# KiCad board tklc_v1_rgb.kicad_pcb (continued)
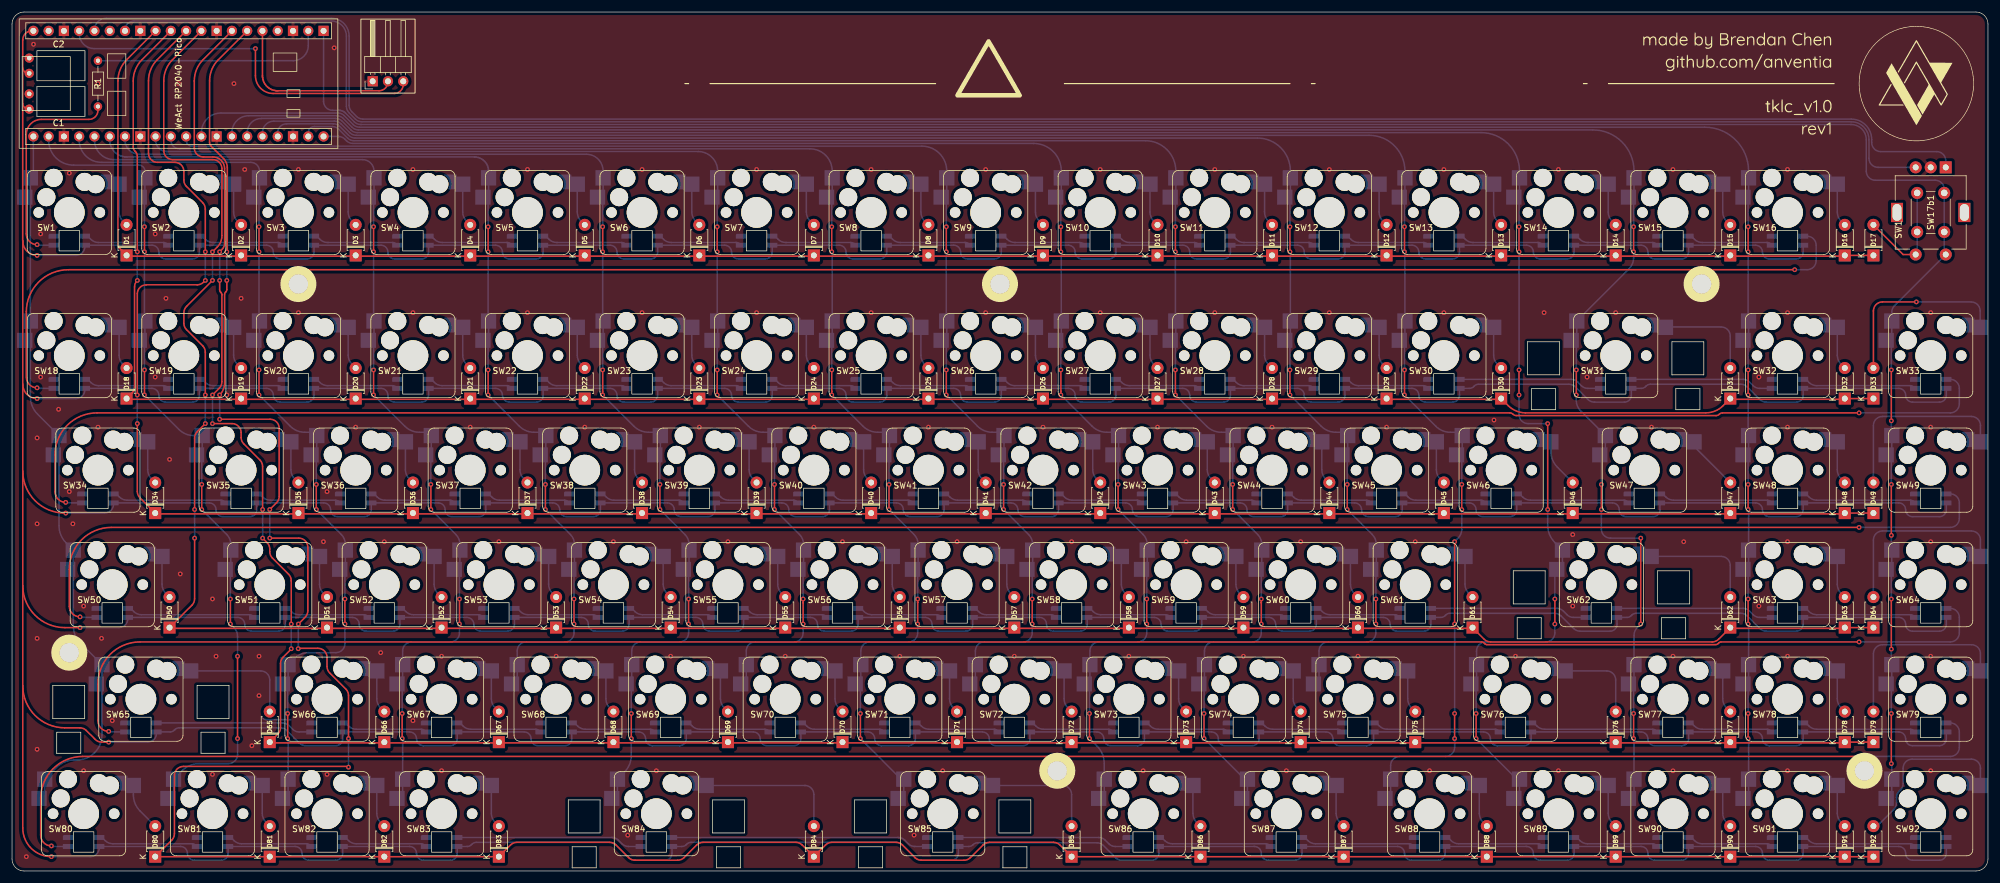
[diagram p0: board, top side]
## Nets (continued)
Net-(SW51-Pad5): SW51.5 SW52.4
Net-(SW52-Pad5): SW52.5 SW53.4
Net-(SW53-Pad5): SW53.5 SW54.4
Net-(SW54-Pad5): SW54.5 SW55.4
Net-(SW55-Pad5): SW55.5 SW56.4
Net-(SW56-Pad5): SW56.5 SW57.4
Net-(SW57-Pad5): SW57.5 SW58.4
Net-(SW58-Pad5): SW58.5 SW59.4
Net-(SW59-Pad5): SW59.5 SW60.4
Net-(SW60-Pad5): SW60.5 SW61.4
Net-(SW61-Pad5): SW61.5 SW62.4
Net-(SW62-Pad5): SW62.5 SW63.4
Net-(SW63-Pad5): SW63.5 SW64.4
Net-(SW64-Pad5): SW64.5 SW65.4
Net-(SW65-Pad5): SW65.5 SW66.4
Net-(SW66-Pad5): SW66.5 SW67.4
Net-(SW67-Pad5): SW67.5 SW68.4
Net-(SW68-Pad5): SW68.5 SW69.4
Net-(SW69-Pad5): SW69.5 SW70.4
Net-(SW70-Pad5): SW70.5 SW71.4
Net-(SW71-Pad5): SW71.5 SW72.4
Net-(SW72-Pad5): SW72.5 SW73.4
Net-(SW73-Pad5): SW73.5 SW74.4
Net-(SW74-Pad5): SW74.5 SW75.4
Net-(SW75-Pad5): SW75.5 SW76.4
Net-(SW76-Pad5): SW76.5 SW77.4
Net-(SW77-Pad5): SW77.5 SW78.4
Net-(SW78-Pad5): SW78.5 SW79.4
Net-(SW79-Pad5): SW79.5 SW80.4
Net-(SW80-Pad5): SW80.5 SW81.4
Net-(SW81-Pad5): SW81.5 SW82.4
Net-(SW82-Pad5): SW82.5 SW83.4
Net-(SW83-Pad5): SW83.5 SW84.4
Net-(SW84-Pad5): SW84.5 SW85.4
Net-(SW85-Pad5): SW85.5 SW86.4
Net-(SW86-Pad5): SW86.5 SW87.4
Net-(SW87-Pad5): SW87.5 SW88.4
Net-(SW88-Pad5): SW88.5 SW89.4
Net-(SW89-Pad5): SW89.5 SW90.4
Net-(SW90-Pad5): SW90.5 SW91.4
Net-(SW91-Pad5): SW91.5 SW92.4

Pads without a net: SW17 MP; SW92 5

## Via types
v1: diameter 0.8, hole 0.4, Top to Bottom, 325 vias

## Routing (per net, layer and track width the routed paths; a pad name or vN(x,y) marks a point on that pad's centre or on a via; arc(x,y) is an arc through that point)
/3V3: length 62.4
  Top w0.25: v1(40.48,136.79) 40.48,132.28 arc(41.35,130.19) 43.43,129.33 63.56,129.33 arc(64.62,129.77) 65.06,130.83
  Bottom w0.25: v1(40.48,136.79) 13.67,136.79 arc(11.9,137.52) 11.17,139.29
GND: length 4.8
  Bottom w0.25: 46.36,25.17 42.31,25.17 arc(41.93,25.25) 41.61,25.47
  vias: v1(2.38,2.38) v1(3.57,137.52) v1(4.17,72.03) v1(4.17,57.75) v1(4.17,38.7) v1(4.17,20.24) v1(4.76,105.97) v1(4.76,82.15) v1(7.74,76.8) v1(9.53,116.09) v1(9.53,63.1) v1(10.12,57.75) v1(11.91,44.05) v1(11.91,16.67) v1(14.29,130.97) v1(14.29,73.82) v1(14.88,38.7) v1(16.67,25) v1(23.81,105.97) v1(23.81,82.15) v1(25.6,95.25) v1(26.19,68.46) v1(27.68,130.97) v1(27.98,49.41) v1(33.34,45.24) v1(33.34,16.07) v1(33.93,35.72) v1(35.72,79.18) v1(36.91,130.97) v1(38.1,95.25) v1(38.7,116.68) v1(39.89,20.84) v1(41.08,35.72) v1(41.08,29.17) v1(47.63,116.68) v1(47.63,92.87) v1(51.79,54.77) v1(52.39,63.1) v1(52.39,16.07) v1(53.58,136.92) v1(57.15,73.82) v1(61.32,36.31) v1(61.91,54.77) v1(66.68,116.68) v1(66.68,92.87) v1(66.68,25) v1(71.44,35.72) v1(71.44,16.67) v1(76.2,73.82) v1(80.96,54.77) v1(85.73,116.68) v1(85.73,92.87) v1(90.49,35.72) v1(95.25,73.82) v1(100.01,54.77) v1(102.39,5.95) v1(104.78,116.68) v1(104.78,92.87) v1(107.16,16.67) v1(109.54,35.72) v1(114.3,73.82) v1(119.06,54.77) v1(123.83,116.68) v1(123.83,92.87) v1(128.59,35.72) v1(133.35,73.82) v1(138.11,54.77) v1(142.88,116.68) v1(142.88,92.87) v1(147.64,35.72) v1(150.02,5.95) v1(152.4,73.82) v1(154.78,16.67) v1(157.16,54.77) v1(161.93,116.68) v1(161.93,92.87) v1(166.69,35.72) v1(171.45,73.82) v1(176.21,54.77) v1(180.98,116.68) v1(180.98,92.87) v1(185.74,35.72) v1(188.12,16.67) v1(190.5,73.82) v1(195.26,54.77) v1(200.03,116.68) v1(200.03,92.87) v1(204.79,35.72) v1(209.55,73.82) v1(211.93,16.67) v1(214.31,54.77) v1(219.08,116.68) v1(219.08,92.87) v1(223.84,35.72) v1(228.6,73.82) v1(233.36,54.77) v1(235.74,16.67) v1(238.13,116.68) v1(238.13,92.87) v1(246.46,75.01) v1(250.03,35.72) v1(254.79,92.87) v1(257.18,116.68) v1(257.18,16.67) v1(259.56,55.96) v1(259.56,44.05) v1(261.94,82.15) v1(266.7,92.87) v1(272.65,73.82) v1(276.23,116.68) v1(276.23,35.72) v1(276.23,16.67) v1(278.01,54.77) v1(290.51,82.15) v1(290.51,44.05) v1(295.28,116.68) v1(295.28,92.87) v1(295.28,73.82) v1(295.28,54.77) v1(295.28,35.72) v1(295.28,16.67) v1(319.09,92.87) v1(319.09,73.82) v1(319.09,54.77) v1(319.09,35.72) v1(319.09,16.67)
/col0: length 109.4
  Bottom w0.25: 5.43,12.99 SW80.2 7.42,17.26 arc(8.74,18.14) 10.3,18.45 10.81,18.45 arc(12.37,18.77) 13.7,19.65 13.76,19.71 arc(14.65,21.04) 14.96,22.6 14.96,30.17 ; 10.19,51.09 SW50.2 9,54.57 arc(8.12,55.88) 7.81,57.44 7.81,68.27 ; 7.81,70.14 SW34.2 4.25,75.99 arc(3.36,77.32) 3.05,78.88 3.05,87.33 ; WeAct RP2040-Pico.1 3.55,115.79 ; 3.05,111.14 SW18.2 3.05,89.2 ; SW1.2 3.05,113.01 ; 14.96,32.04 SW65.2 11.39,37.89 arc(10.5,39.22) 10.19,40.78 10.19,49.22
/col1: length 129.2
  Top w0.25: v1(37.5,22.03) v1(37.5,35.72) ; v1(31.55,60.13) v1(31.55,64.29) ; v1(22.03,79.18) v1(22.03,83.34) ; v1(22.03,102.99) v1(22.03,107.16) ; v1(36.31,45.24) v1(36.31,41.08)
  Bottom w0.25: v1(37.5,35.72) 37.5,39.04 arc(37.35,39.82) 36.91,40.48 v1(36.31,41.08) ; SW19.2 22.1,88.27 ; 36.39,52.42 36.39,51.1 ; v1(36.31,45.24) 36.31,49.3 ; 26.86,13 SW81.2 28.25,16.66 arc(29.58,17.55) 31.14,17.86 36,17.86 arc(37.07,18.3) 37.5,19.36 v1(37.5,22.03) ; v1(22.03,83.34) 22.03,87.4 ; 31.63,70.15 SW35.2 30.2,72.43 arc(28.89,72.69) 27.77,73.43 v1(22.03,79.18) ; v1(31.55,64.29) 31.55,68.35 ; v1(22.03,107.16) 22.03,111.22 ; SW2.2 22.1,113.01 ; v1(31.55,60.13) 35.71,55.97 arc(36.21,55.22) 36.39,54.33 ; v1(22.03,102.99) 22.03,91.48 ; 6.09,121.55 arc(7.3,118.62) 10.24,117.41 21.1,117.41 arc(21.81,117.11) 22.1,116.41
/col2: length 135.8
  Top w0.25: v1(50.6,60.13) v1(50.6,64.29) ; v1(41.08,102.99) v1(41.08,107.16) ; v1(45.84,22.03) v1(45.84,26.19) ; v1(41.08,79.18) v1(41.08,83.34) ; v1(55.36,41.08) v1(55.36,45.24)
  Bottom w0.25: v1(55.36,41.08) 55.36,37.81 arc(54.92,36.75) 53.86,36.31 49.31,36.31 arc(48.01,36.06) 46.91,35.32 ; v1(50.6,60.13) 54.76,55.97 arc(55.26,55.22) 55.44,54.33 ; SW20.2 41.15,89.2 ; v1(41.08,79.18) 46.27,73.98 arc(47.39,73.24) 48.7,72.97 50.13,72.97 ; v1(41.08,83.34) 41.08,87.4 ; v1(55.36,45.24) 55.36,49.3 ; SW3.2 41.15,113.01 ; 45.91,33.19 45.91,32.05 ; v1(45.84,26.19) 45.84,30.25 ; SW36.2 50.68,70.15 ; v1(41.08,102.99) 41.08,91.55 ; 55.44,52.42 55.44,51.1 ; v1(45.84,22.03) 45.88,21.99 arc(45.9,21.95) 45.91,21.9 SW82.2 45.91,13 ; v1(50.6,64.29) 50.6,68.35 ; v1(41.08,107.16) 41.08,111.22 ; 41.15,116.42 arc(40.73,117.45) 39.7,117.87 14.87,117.87 arc(12.25,118.95) 11.17,121.57
/col3: length 155.6
  Top w0.25: v1(60.13,107.16) v1(60.13,102.99) ; v1(60.13,83.34) v1(60.13,79.18) ; v1(74.41,41.08) v1(74.41,45.24) ; v1(64.89,22.03) v1(64.89,26.19) ; v1(69.65,60.13) v1(69.65,64.29)
  Bottom w0.25: v1(64.89,26.19) 64.89,30.25 ; 69.18,72.97 67.75,72.97 arc(66.44,73.24) 65.32,73.98 v1(60.13,79.18) ; v1(69.65,60.13) 73.81,55.97 arc(74.31,55.22) 74.49,54.33 ; v1(74.41,45.24) 74.41,49.3 ; v1(69.65,64.29) 69.65,68.35 ; v1(64.89,22.03) 64.93,21.99 arc(64.95,21.95) 64.96,21.9 SW83.2 64.96,13 ; 60.2,113.01 SW4.2 ; v1(74.41,41.08) 74.41,39.59 arc(73.98,38.54) 72.93,38.1 66.46,38.1 arc(65.4,37.66) 64.96,36.6 SW67.2 64.96,32.05 ; v1(60.13,83.34) 60.13,87.4 ; v1(60.13,102.99) 60.13,91.55 ; 60.2,89.2 SW21.2 ; v1(60.13,107.16) 60.13,111.22 ; 74.49,52.42 74.49,51.1 ; 69.73,70.15 SW37.2 ; 60.2,116.42 arc(59.64,117.77) 58.3,118.32 16.96,118.32 arc(14.66,119.27) 13.71,121.57
/col4: length 155.7
  Top w0.25: v1(79.18,102.99) v1(79.18,107.16) ; v1(79.18,79.18) v1(79.18,83.34) ; v1(93.46,45.24) v1(93.46,41.08) ; v1(88.7,64.29) v1(88.7,60.13)
  Bottom w0.25: 79.25,116.42 79.25,116.49 arc(79.25,116.57) 79.24,116.65 79.23,116.72 arc(79.2,116.88) 79.17,117.02 arc(79.12,117.17) 79.07,117.32 arc(79.01,117.46) 78.93,117.59 arc(78.85,117.72) 78.76,117.85 arc(78.67,117.96) 78.56,118.08 arc(78.45,118.18) 78.33,118.28 arc(78.2,118.37) 78.07,118.45 arc(77.94,118.52) 77.8,118.58 arc(77.66,118.64) 77.51,118.68 arc(77.36,118.72) 77.21,118.74 77.13,118.75 arc(77.06,118.76) 76.98,118.76 76.9,118.77 arc(76.9,118.77) 76.9,118.77 arc(76.9,118.77) 76.89,118.77 19.13,118.77 arc(19.05,118.77) 18.96,118.77 arc(18.88,118.78) 18.79,118.78 18.71,118.79 arc(18.54,118.82) 18.38,118.85 arc(18.22,118.9) 18.06,118.95 arc(17.9,119.02) 17.75,119.09 arc(17.6,119.18) 17.46,119.27 arc(17.32,119.37) 17.19,119.48 arc(17.07,119.59) 16.95,119.72 arc(16.85,119.84) 16.75,119.98 arc(16.65,120.12) 16.57,120.27 arc(16.5,120.42) 16.43,120.58 arc(16.38,120.74) 16.33,120.9 arc(16.3,121.06) 16.27,121.23 16.26,121.32 arc(16.25,121.4) 16.25,121.48 ; v1(79.18,79.18) 84.37,73.98 arc(85.49,73.24) 86.8,72.97 88.23,72.97 ; v1(79.18,107.16) 79.18,111.22 ; v1(88.7,60.13) 92.86,55.97 arc(93.36,55.22) 93.54,54.33 ; v1(79.18,102.99) 79.18,91.55 ; 84.01,32.05 SW68.2 84.01,36.6 arc(84.45,37.66) 85.51,38.1 91.98,38.1 arc(93.03,38.54) 93.46,39.59 v1(93.46,41.08) ; SW38.2 88.78,70.15 ; v1(93.46,45.24) 93.46,49.3 ; v1(79.18,83.34) 79.18,87.4 ; SW5.2 79.25,113.01 ; v1(88.7,64.29) 88.7,68.35 ; SW54.2 93.54,51.1 ; SW22.2 79.25,89.2
/col5: length 190.3
  Top w0.25: v1(107.75,64.29) v1(107.75,60.13) ; v1(112.51,45.24) v1(112.51,41.08) ; v1(98.23,79.18) 98.23,79.8 v1(98.23,83.34) ; v1(102.99,26.19) v1(102.99,22.03) ; v1(98.23,102.99) v1(98.23,107.16)
  Bottom w0.25: 107.83,70.15 SW39.2 ; 100.68,12.99 SW84.2 101.84,16.43 arc(102.69,17.71) 102.99,19.21 v1(102.99,22.03) ; 107.28,72.97 105.85,72.97 arc(104.54,73.24) 103.42,73.98 v1(98.23,79.18) ; 103.06,32.05 SW69.2 103.06,36.6 arc(103.5,37.66) 104.56,38.1 111.03,38.1 arc(112.08,38.54) 112.51,39.59 v1(112.51,41.08) ; 98.3,113.01 SW6.2 ; v1(98.23,107.16) 98.23,111.22 ; SW55.2 112.59,51.1 ; v1(102.99,26.19) 102.99,30.25 ; v1(98.23,83.34) 98.23,87.4 ; 98.3,89.2 SW23.2 ; v1(112.51,45.24) 112.51,49.3 ; v1(98.23,102.99) 98.23,91.55 ; v1(107.75,60.13) 111.91,55.97 arc(112.41,55.22) 112.59,54.33 ; v1(107.75,64.29) 107.75,68.35 ; 98.3,116.42 arc(97.48,118.4) 95.5,119.22 21.14,119.22 arc(19.48,119.91) 18.79,121.57
/col6: length 185.3
  Top w0.25: v1(117.28,102.99) v1(117.28,107.16) ; v1(126.8,64.29) v1(126.8,60.13) ; v1(117.28,83.34) v1(117.28,79.18) ; v1(131.56,41.08) 131.56,44.65 v1(131.56,45.24)
  Bottom w0.25: SW7.2 117.35,113.01 ; v1(117.28,79.18) 122.47,73.98 arc(123.59,73.24) 124.9,72.97 126.33,72.97 ; 122.11,32.05 SW70.2 122.11,36.6 arc(122.55,37.66) 123.61,38.1 130.08,38.1 arc(131.13,38.54) 131.56,39.59 v1(131.56,41.08) ; v1(117.28,107.16) 117.28,111.22 ; v1(126.8,64.29) 126.8,68.35 ; v1(126.8,60.13) 130.96,55.97 arc(131.46,55.22) 131.64,54.33 ; SW24.2 117.35,89.2 ; v1(117.28,102.99) 117.28,91.55 ; 131.64,52.42 131.64,51.1 ; SW40.2 126.88,70.15 ; v1(117.28,83.34) 117.28,87.4 ; v1(131.56,45.24) 131.56,49.3 ; 23.87,121.57 arc(24.42,120.23) 25.77,119.67 114.1,119.67 arc(116.4,118.72) 117.35,116.42
/col7: length 221.9
  Top w0.25: v1(141.09,26.19) v1(141.09,22.03) ; v1(150.61,41.08) 150.61,44.65 v1(150.61,45.24) ; v1(136.33,79.18) 136.33,79.8 v1(136.33,83.34) ; v1(136.33,107.16) v1(136.33,102.99) ; v1(145.85,64.29) v1(145.85,60.13)
  Bottom w0.25: v1(150.61,45.24) 150.61,49.3 ; v1(145.85,60.13) 150.01,55.97 arc(150.51,55.22) 150.69,54.33 ; 145.38,72.97 143.95,72.97 arc(142.64,73.24) 141.52,73.98 v1(136.33,79.18) ; v1(141.09,22.03) 147.84,15.28 ; v1(136.33,83.34) 136.33,87.4 ; 136.4,89.2 SW25.2 136.4,102.86 arc(136.39,102.91) 136.36,102.95 v1(136.33,102.99) ; v1(141.09,26.19) 141.09,30.25 ; v1(145.85,64.29) 145.85,68.35 ; SW8.2 136.4,113.01 ; v1(150.61,41.08) 150.61,39.59 arc(150.18,38.54) 149.13,38.1 142.66,38.1 arc(141.6,37.66) 141.16,36.6 SW71.2 141.16,32.05 ; 150.69,52.42 150.69,51.1 ; v1(136.33,107.16) 136.33,111.22 ; SW85.2 148.31,12.99 ; SW41.2 145.93,70.15 ; 136.4,116.42 arc(135.32,119.04) 132.7,120.12 27.86,120.12 arc(26.83,120.54) 26.41,121.57
/col8: length 219.2
  Top w0.25: v1(155.38,107.16) v1(155.38,102.99) ; v1(169.66,45.24) v1(169.66,41.08) ; v1(155.38,79.18) v1(155.38,83.34) ; v1(164.9,60.13) v1(164.9,64.29)
  Bottom w0.25: v1(155.38,107.16) 155.38,111.22 ; v1(169.66,45.24) 169.66,49.3 ; SW9.2 155.45,113.01 ; SW42.2 164.98,70.15 ; SW58.2 169.74,51.1 ; 160.21,32.05 SW72.2 160.21,36.6 arc(160.65,37.66) 161.71,38.1 168.18,38.1 arc(169.23,38.54) 169.66,39.59 v1(169.66,41.08) ; v1(155.38,102.99) 155.38,91.55 ; v1(155.38,79.18) 160.57,73.98 arc(161.69,73.24) 163,72.97 164.43,72.97 ; v1(155.38,83.34) 155.38,87.4 ; v1(164.9,64.29) 164.9,68.35 ; v1(164.9,60.13) 169.06,55.97 arc(169.56,55.22) 169.74,54.33 ; SW26.2 155.45,89.2 ; 155.45,116.42 arc(154.24,119.35) 151.3,120.57 29.95,120.57 arc(29.24,120.86) 28.95,121.57
/col9: length 233.7
  Top w0.25: v1(174.43,83.34) 174.43,79.8 arc(174.43,79.8) 174.43,79.8 v1(174.43,79.18) ; v1(174.43,102.99) 174.43,102.99 174.43,107.16 v1(174.43,107.16) ; v1(188.71,41.08) v1(188.71,45.24) ; v1(183.95,60.13) v1(183.95,64.29) ; v1(179.19,22.03) v1(179.19,26.19)
  Bottom w0.25: 174.5,89.2 SW27.2 174.5,102.86 arc(174.49,102.91) 174.46,102.95 v1(174.43,102.99) ; v1(174.43,83.34) 174.43,87.4 ; v1(174.43,79.18) 179.62,73.98 arc(180.74,73.24) 182.05,72.97 183.48,72.97 ; v1(179.19,26.19) 179.19,30.25 ; 179.26,32.05 SW73.2 179.26,36.6 arc(179.7,37.66) 180.76,38.1 187.23,38.1 arc(188.28,38.54) 188.71,39.59 v1(188.71,41.08) ; v1(179.19,22.03) 180.45,20.77 arc(181.33,19.44) 181.64,17.88 SW86.2 181.64,12.99 ; SW10.2 174.5,113.01 ; SW59.2 188.79,51.1 ; SW43.2 184.03,70.15 ; v1(188.71,45.24) 188.71,49.3 ; v1(174.43,107.16) 174.43,111.22 ; v1(183.95,60.13) 188.11,55.97 arc(188.61,55.22) 188.79,54.33 ; WeAct RP2040-Pico.20 54.28,122.18 arc(54.85,122.06) 55.34,121.74 55.62,121.46 arc(56.11,121.13) 56.68,121.02 169.9,121.02 arc(173.15,119.67) 174.5,116.42 ; v1(183.95,64.29) 183.95,68.35
/col10: length 257.5
  Top w0.25: v1(198.24,22.03) v1(198.24,26.19) ; v1(193.48,83.34) 193.48,79.8 arc(193.48,79.8) 193.48,79.8 v1(193.48,79.18) ; v1(203,60.13) v1(203,64.29) ; v1(207.76,41.08) 207.76,44.65 v1(207.76,45.24) ; v1(193.48,102.99) 193.48,102.99 v1(193.48,107.16)
  Bottom w0.25: v1(193.48,107.16) 193.48,111.22 ; SW28.2 193.55,89.2 ; v1(193.48,83.34) 193.48,87.4 ; 207.84,52.42 207.84,51.1 ; SW44.2 203.08,70.15 ; 198.31,32.05 SW74.2 198.31,36.6 arc(198.75,37.66) 199.81,38.1 206.28,38.1 arc(207.33,38.54) 207.76,39.59 v1(207.76,41.08) ; v1(193.48,79.18) 198.67,73.98 arc(199.79,73.24) 201.1,72.97 202.53,72.97 ; v1(193.48,102.99) 193.48,91.55 ; v1(203,64.29) 203,68.35 ; v1(198.24,22.03) 204.99,15.28 ; SW87.2 205.46,12.99 ; v1(198.24,26.19) 198.24,30.25 ; SW11.2 193.55,113.01 ; v1(207.76,45.24) 207.76,49.3 ; v1(203,60.13) 207.16,55.97 arc(207.66,55.22) 207.84,54.33 ; 49.27,122.82 arc(49.56,123.53) 50.27,123.82 53.27,123.82 arc(53.84,123.71) 54.33,123.39 55.81,121.91 arc(56.29,121.58) 56.87,121.47 188.5,121.47 arc(192.07,119.99) 193.55,116.42
/col11: length 262.2
  Top w0.25: v1(222.05,60.13) v1(222.05,64.29) ; v1(226.81,41.08) v1(226.81,45.24) ; v1(212.53,79.18) 212.53,79.8 arc(212.53,79.8) 212.53,79.8 v1(212.53,83.34) ; v1(212.53,107.16) 212.53,107.16 212.53,102.99 v1(212.53,102.99)
  Bottom w0.25: SW45.2 222.13,70.15 ; 217.36,32.05 SW75.2 217.36,36.6 arc(217.8,37.66) 218.86,38.1 225.33,38.1 arc(226.38,38.54) 226.81,39.59 v1(226.81,41.08) ; 212.6,89.2 SW29.2 212.6,102.86 arc(212.59,102.91) 212.56,102.95 v1(212.53,102.99) ; 221.58,72.97 220.15,72.97 arc(218.84,73.24) 217.72,73.98 v1(212.53,79.18) ; v1(212.53,107.16) 212.53,111.22 ; v1(226.81,45.24) 226.81,49.3 ; 226.89,52.42 226.89,51.1 ; v1(222.05,64.29) 222.05,68.35 ; v1(212.53,83.34) 212.53,87.4 ; v1(222.05,60.13) 226.21,55.97 arc(226.71,55.22) 226.89,54.33 ; SW12.2 212.6,113.01 ; 212.6,116.42 arc(210.99,120.31) 207.1,121.92 57.05,121.92 arc(56.48,122.03) 55.99,122.36 54.51,123.84 arc(54.03,124.16) 53.45,124.27 45.64,124.27 arc(44.61,123.85) 44.19,122.82
/col12: length 306.7
  Top w0.25: v1(231.58,102.99) v1(231.58,107.16) ; v1(239.91,54.77) v1(239.91,41.08) ; v1(241.1,64.29) v1(241.1,60.13) ; v1(239.91,22.03) v1(239.91,26.19) ; v1(231.58,83.34) v1(231.58,79.18)
  Bottom w0.25: v1(231.58,102.99) 231.61,102.95 arc(231.64,102.91) 231.65,102.86 SW30.2 231.65,89.2 ; v1(241.1,64.29) 241.1,68.35 ; SW13.2 231.65,113.01 ; SW46.2 241.18,70.15 ; v1(239.91,41.08) v1(239.91,26.19) ; v1(239.91,54.77) 239.91,54.78 arc(239.91,54.8) 239.92,54.81 240.51,55.39 arc(240.95,56.05) 241.1,56.83 v1(241.1,60.13) ; v1(231.58,83.34) 231.58,87.4 ; v1(231.58,107.16) 231.58,111.22 ; 240.63,72.97 239.2,72.97 arc(237.89,73.24) 236.77,73.98 v1(231.58,79.18) ; v1(239.91,22.03) 239.91,20.55 arc(239.47,19.49) 238.41,19.05 230.77,19.05 arc(229.71,18.61) 229.27,17.55 SW88.2 229.27,12.99 ; 231.65,116.42 arc(229.91,120.63) 225.71,122.37 57.24,122.37 arc(56.66,122.48) 56.18,122.81 54.7,124.28 arc(54.21,124.61) 53.64,124.72 43.55,124.72 arc(42.2,124.17) 41.65,122.82
/col13: length 334.4
  Top w0.25: v1(256.58,41.08) v1(256.58,45.24) ; v1(250.63,79.18) v1(250.63,83.34) ; v1(243.48,26.19) v1(243.48,22.03) ; v1(255.39,74.41) v1(255.39,60.13) ; v1(250.63,107.16) v1(250.63,102.99)
  Bottom w0.25: SW14.2 250.7,113.01 ; v1(256.58,45.24) 256.58,49.83 ; v1(250.63,79.18) 250.63,75.91 arc(251.07,74.85) 252.13,74.41 v1(255.39,74.41) ; 257.84,51.09 SW62.2 256.58,54.63 arc(255.7,55.96) 255.39,57.52 v1(255.39,60.13) ; SW89.2 250.7,13 ; v1(243.48,22.03) 250.23,15.28 ; v1(256.58,41.08) 256.58,39.59 arc(256.14,38.54) 255.09,38.1 245.06,38.1 arc(244,37.66) 243.56,36.6 SW76.2 243.56,32.04 ; v1(250.63,107.16) 250.63,111.22 ; v1(243.48,26.19) 243.48,30.24 ; v1(250.63,102.99) v1(250.63,83.34) ; 250.7,116.42 arc(248.83,120.94) 244.31,122.82 57.42,122.82 arc(56.85,122.93) 56.36,123.26 54.89,124.73 arc(54.4,125.06) 53.83,125.17 41.46,125.17 arc(39.8,124.49) 39.11,122.82
/col14: length 347.2
  Top w0.25: v1(260.15,79.18) v1(260.15,83.34) ; v1(270.87,41.08) v1(270.87,55.36) ; v1(264.32,64.29) v1(264.32,60.13) ; v1(269.68,26.19) v1(269.68,22.03) ; v1(269.68,102.99) v1(269.68,107.16)
  Bottom w0.25: SW15.2 269.75,113.01 ; v1(269.68,107.16) 269.68,111.22 ; v1(270.87,55.36) 265.82,55.36 arc(264.76,55.8) 264.32,56.86 v1(264.32,60.13) ; 264.99,70.14 SW47.2 260.83,76.58 arc(260.33,77.33) 260.15,78.22 v1(260.15,79.18) ; v1(269.68,102.99) 269.68,101.96 arc(269.49,101.01) 268.95,100.2 SW31.2 260.23,89.19 ; 269.75,32.05 SW77.2 269.75,39.17 arc(269.9,39.9) 270.31,40.52 v1(270.87,41.08) ; 269.75,13 SW90.2 269.75,21.9 arc(269.74,21.95) 269.71,21.99 v1(269.68,22.03) ; v1(269.68,26.19) 269.68,30.25 ; v1(260.15,83.34) 260.15,87.39 ; v1(264.32,64.29) 264.32,68.94 ; 269.75,116.42 arc(267.75,121.26) 262.91,123.27 57.61,123.27 arc(57.04,123.38) 56.55,123.71 55.07,125.18 arc(54.59,125.51) 54.01,125.62 39.37,125.62 arc(37.39,124.8) 36.57,122.82
/col15: length 357.4
  Top w0.25: v1(288.73,26.19) v1(288.73,22.03) ; v1(288.73,60.13) v1(288.73,64.29) ; v1(288.73,83.34) v1(288.73,79.18) ; v1(288.73,41.08) v1(288.73,45.24) ; v1(288.73,107.16) v1(288.73,102.99)
  Bottom w0.25: v1(288.73,22.03) 288.76,21.99 arc(288.79,21.95) 288.8,21.9 SW91.2 288.8,13 ; v1(288.73,83.34) 288.73,87.4 ; SW48.2 288.8,70.15 ; SW16.2 288.8,113.01 ; v1(288.73,26.19) 288.73,30.25 ; 288.8,32.05 SW78.2 288.8,40.95 arc(288.79,41) 288.76,41.04 v1(288.73,41.08) ; 288.8,51.1 SW63.2 288.8,60 arc(288.79,60.05) 288.76,60.09 v1(288.73,60.13) ; SW32.2 288.8,89.2 ; v1(288.73,102.99) 288.73,91.55 ; v1(288.73,79.18) 288.73,72.5 ; v1(288.73,107.16) 288.73,111.22 ; v1(288.73,45.24) 288.73,49.3 ; v1(288.73,64.29) 288.73,68.35 ; 288.8,116.42 arc(286.66,121.58) 281.51,123.72 57.8,123.72 arc(57.22,123.83) 56.74,124.15 55.26,125.63 arc(54.77,125.96) 54.2,126.07 34.74,126.07 arc(32.44,125.12) 31.49,122.82
/col16: length 387.4
  Top w0.25: v1(312.54,45.24) v1(312.54,36.91) ; v1(312.54,64.29) v1(312.54,55.83) ; v1(312.54,26.19) v1(312.54,17.86) ; v1(312.54,83.34) v1(312.54,74.88)
  Bottom w0.25: WeAct RP2040-Pico.21 51.81,128.02 arc(52.25,126.96) 53.31,126.52 54.38,126.52 54.44,126.52 arc(54.5,126.52) 54.56,126.51 54.62,126.5 arc(54.73,126.48) 54.85,126.45 arc(54.96,126.41) 55.06,126.36 arc(55.17,126.3) 55.26,126.23 55.31,126.2 arc(55.36,126.16) 55.4,126.12 arc(55.44,126.08) 55.49,126.04 56.92,124.6 arc(57.41,124.28) 57.98,124.17 305.87,124.17 arc(307.64,123.43) 308.37,121.67 308.37,116.4 arc(308.81,115.33) 309.87,114.9 319.84,114.9 arc(320.9,114.46) 321.34,113.4 ; v1(312.54,36.91) 312.54,34.4 ; v1(312.54,55.83) 312.54,53.45 ; v1(312.54,83.34) 312.54,87.4 ; v1(312.54,17.86) 312.58,17.82 arc(312.6,17.78) 312.61,17.73 SW92.2 312.61,13 ; 312.61,89.2 SW33.2 312.61,92.94 arc(312.73,93.52) 313.05,94 SW17.S1 ; SW64.2 312.61,51.1 ; v1(312.54,74.88) 312.54,72.5 ; SW79.2 312.61,32.05 ; SW49.2 312.61,70.15 ; 321.34,102.54 SW17b1.1 SW17b1.1 ; v1(312.54,45.24) 312.54,49.3 ; v1(312.54,26.19) 312.54,30.25 ; v1(312.54,64.29) 312.54,68.35
/EncoderA: length 328.7
  Bottom w0.25: SW17.A 321.59,118.16 arc(321.15,119.22) 320.09,119.66 310.77,119.66 arc(309.71,120.1) 309.27,121.16 309.27,121.67 arc(308.28,124.07) 305.87,125.06 58.36,125.06 arc(57.78,125.18) 57.3,125.5 56.5,126.3 arc(56.17,126.79) 56.06,127.36 56.06,138.88 arc(55.19,140.97) 53.11,141.83 15.66,141.83 arc(14.28,141.26) 13.71,139.88
/EncoderB: length 318.8
  Bottom w0.25: SW17.B 310.32,117.04 arc(309.26,117.48) 308.82,118.54 308.82,121.67 arc(307.96,123.75) 305.87,124.61 58.17,124.61 arc(57.6,124.73) 57.11,125.05 56.05,126.12 arc(55.72,126.6) 55.61,127.18 55.61,138.88 arc(54.87,140.65) 53.11,141.38 20.29,141.38 arc(19.23,140.94) 18.79,139.88
/RGB_DATA: length 37
  Top w0.25: R1.2 14.29,126.52 arc(13.85,125.45) 12.79,125.02 4.87,125.02 arc(3.11,124.28) 2.37,122.52 2.37,105.97 arc(2.9,104.7) v1(4.17,104.18)
  Bottom w0.25: v1(4.17,104.18) 4.21,104.13 arc(4.26,104.1) 4.32,104.09 SW1.4
/RGB_PWR: length 2319.4
  Top w0.25: v1(8.93,59.53) 8.79,59.53 arc(3.84,61.58) 1.79,66.53 ; v1(11.31,40.48) 8.79,40.48 arc(3.84,42.53) 1.79,47.48 ; 1.79,104.77 1.77,104.79 1.77,138.23 1.79,138.24 arc(2.23,139.3) 3.29,139.74 ; 1.79,104.77 1.79,7.14 arc(3.18,3.78) v1(6.55,2.38) ; 1.79,104.77 arc(2.48,103.09) v1(4.17,102.39) ; v1(16.07,21.43) 14.91,21.43 arc(14.33,21.55) 13.85,21.87 12.35,23.37 arc(11.86,23.7) 11.28,23.81 8.79,23.81 arc(3.84,25.86) 1.79,30.81 ; 2.77,126.72 arc(2.07,127.02) 1.77,127.72 ; v1(4.17,78.58) arc(2.48,79.28) 1.79,80.96 ; 1.77,133.68 arc(2.07,132.97) 2.77,132.68
  Bottom w0.25: 19.27,42.18 37.55,42.18 arc(38.36,41.84) 38.7,41.03 arc(39.03,40.22) 39.84,39.89 44.32,39.89 arc(45.13,40.22) 45.46,41.03 SW51.3 56.6,42.18 arc(57.41,41.84) 57.75,41.03 arc(58.08,40.22) 58.89,39.89 63.37,39.89 arc(64.18,40.22) 64.51,41.03 SW52.3 75.65,42.18 arc(76.46,41.84) 76.8,41.03 arc(77.13,40.22) 77.94,39.89 82.42,39.89 arc(83.23,40.22) 83.56,41.03 SW53.3 94.7,42.18 arc(95.51,41.84) 95.85,41.03 arc(96.18,40.22) 96.99,39.89 101.47,39.89 arc(102.28,40.22) 102.61,41.03 SW54.3 113.75,42.18 arc(114.56,41.84) 114.9,41.03 arc(115.23,40.22) 116.04,39.89 120.52,39.89 arc(121.33,40.22) 121.66,41.03 SW55.3 132.8,42.18 arc(133.61,41.84) 133.95,41.03 arc(134.28,40.22) 135.09,39.89 139.57,39.89 arc(140.38,40.22) 140.71,41.03 SW56.3 151.85,42.18 arc(152.66,41.84) 153,41.03 arc(153.33,40.22) 154.14,39.89 158.62,39.89 arc(159.43,40.22) 159.76,41.03 SW57.3 170.9,42.18 arc(171.71,41.84) 172.05,41.03 arc(172.38,40.22) 173.19,39.89 177.67,39.89 arc(178.48,40.22) 178.81,41.03 SW58.3 189.95,42.18 arc(190.76,41.84) 191.1,41.03 arc(191.43,40.22) 192.24,39.89 196.72,39.89 arc(197.53,40.22) 197.86,41.03 SW59.3 209,42.18 arc(209.81,41.84) 210.15,41.03 arc(210.48,40.22) 211.29,39.89 215.77,39.89 arc(216.58,40.22) 216.91,41.03 SW60.3 228.05,42.18 arc(228.86,41.84) 229.2,41.03 arc(229.53,40.22) 230.34,39.89 234.82,39.89 arc(235.63,40.22) 235.96,41.03 SW61.3 237.62,42.18 arc(238,42.25) 238.33,42.47 238.43,42.57 arc(238.75,42.79) 239.13,42.86 256.55,42.86 arc(257.13,42.75) 257.61,42.42 259.71,40.33 arc(260.2,40) 260.77,39.89 265.77,39.89 arc(266.58,40.22) 266.92,41.03 SW62.3 268.58,42.18 arc(268.96,42.25) 269.28,42.47 269.38,42.57 arc(269.71,42.79) 270.09,42.86 287.51,42.86 arc(288.08,42.75) 288.57,42.42 290.67,40.33 arc(291.16,40) 291.73,39.89 296.73,39.89 arc(297.54,40.22) 297.88,41.03 SW63.3 313.78,42.18 arc(314.59,41.84) 314.92,41.03 arc(315.26,40.22) 316.07,39.89 320.54,39.89 arc(321.35,40.22) 321.69,41.03 SW64.3 ; SW49.3 321.69,60.08 arc(321.35,59.27) 320.54,58.94 316.07,58.94 arc(315.26,59.27) 314.92,60.08 arc(314.59,60.89) 313.78,61.23 SW48.3 297.88,60.08 arc(297.54,59.27) 296.73,58.94 292.25,58.94 arc(291.44,59.27) 291.11,60.08 arc(290.77,60.89) 289.96,61.23 SW47.3 274.06,60.08 arc(273.73,59.27) 272.92,58.94 268.44,58.94 arc(267.63,59.27) 267.3,60.08 arc(266.96,60.89) 266.15,61.23 SW46.3 250.25,60.08 arc(249.91,59.27) 249.11,58.94 244.63,58.94 arc(243.82,59.27) 243.48,60.08 arc(243.15,60.89) 242.34,61.23 SW45.3 231.2,60.08 arc(230.86,59.27) 230.06,58.94 225.58,58.94 arc(224.77,59.27) 224.43,60.08 arc(224.1,60.89) 223.29,61.23 SW44.3 212.15,60.08 arc(211.81,59.27) 211.01,58.94 206.53,58.94 arc(205.72,59.27) 205.38,60.08 arc(205.05,60.89) 204.24,61.23 SW43.3 193.1,60.08 arc(192.76,59.27) 191.96,58.94 187.48,58.94 arc(186.67,59.27) 186.33,60.08 arc(186,60.89) 185.19,61.23 SW42.3 174.05,60.08 arc(173.71,59.27) 172.91,58.94 168.43,58.94 arc(167.62,59.27) 167.28,60.08 arc(166.95,60.89) 166.14,61.23 SW41.3 155,60.08 arc(154.66,59.27) 153.86,58.94 149.38,58.94 arc(148.57,59.27) 148.23,60.08 arc(147.9,60.89) 147.09,61.23 SW40.3 135.95,60.08 arc(135.61,59.27) 134.81,58.94 130.33,58.94 arc(129.52,59.27) 129.18,60.08 arc(128.85,60.89) 128.04,61.23 SW39.3 116.9,60.08 arc(116.56,59.27) 115.76,58.94 111.28,58.94 arc(110.47,59.27) 110.13,60.08 arc(109.8,60.89) 108.99,61.23 SW38.3 97.85,60.08 arc(97.51,59.27) 96.71,58.94 92.23,58.94 arc(91.42,59.27) 91.08,60.08 arc(90.75,60.89) 89.94,61.23 SW37.3 78.8,60.08 arc(78.46,59.27) 77.66,58.94 73.18,58.94 arc(72.37,59.27) 72.03,60.08 arc(71.7,60.89) 70.89,61.23 SW36.3 59.75,60.08 arc(59.41,59.27) 58.61,58.94 54.13,58.94 arc(53.32,59.27) 52.98,60.08 arc(52.65,60.89) 51.84,61.23 SW35.3 40.7,60.08 arc(40.36,59.27) 39.56,58.94 35.08,58.94 arc(34.27,59.27) 33.93,60.08 arc(33.6,60.89) 32.79,61.23 SW34.3 ; SW65.3 26.28,23.13 arc(26.67,23.2) 26.99,23.42 27.09,23.52 arc(27.42,23.74) 27.8,23.81 44.62,23.81 arc(45.2,23.7) 45.68,23.37 47.78,21.28 arc(48.27,20.95) 48.84,20.84 53.84,20.84 arc(54.65,21.17) 54.99,21.98 SW66.3 66.13,23.13 arc(66.94,22.79) 67.27,21.98 arc(67.61,21.17) 68.42,20.84 72.89,20.84 arc(73.7,21.17) 74.04,21.98 SW67.3 85.18,23.13 arc(85.99,22.79) 86.32,21.98 arc(86.66,21.17) 87.47,20.84 91.94,20.84 arc(92.75,21.17) 93.09,21.98 SW68.3 104.23,23.13 arc(105.04,22.79) 105.37,21.98 arc(105.71,21.17) 106.52,20.84 110.99,20.84 arc(111.8,21.17) 112.14,21.98 SW69.3 123.28,23.13 arc(124.09,22.79) 124.42,21.98 arc(124.76,21.17) 125.57,20.84 130.04,20.84 arc(130.85,21.17) 131.19,21.98 SW70.3 142.33,23.13 arc(143.14,22.79) 143.47,21.98 arc(143.81,21.17) 144.62,20.84 149.09,20.84 arc(149.9,21.17) 150.24,21.98 SW71.3 161.38,23.13 arc(162.19,22.79) 162.52,21.98 arc(162.86,21.17) 163.67,20.84 168.14,20.84 arc(168.95,21.17) 169.29,21.98 SW72.3 180.43,23.13 arc(181.24,22.79) 181.57,21.98 arc(181.91,21.17) 182.72,20.84 187.19,20.84 arc(188,21.17) 188.34,21.98 SW73.3 199.48,23.13 arc(200.29,22.79) 200.62,21.98 arc(200.96,21.17) 201.77,20.84 206.24,20.84 arc(207.05,21.17) 207.39,21.98 SW74.3 218.53,23.13 arc(219.34,22.79) 219.67,21.98 arc(220.01,21.17) 220.82,20.84 225.29,20.84 arc(226.1,21.17) 226.44,21.98 SW75.3 244.72,23.13 arc(245.53,22.79) 245.86,21.98 arc(246.2,21.17) 247.01,20.84 251.49,20.84 arc(252.3,21.17) 252.63,21.98 SW76.3 270.91,23.13 arc(271.72,22.79) 272.06,21.98 arc(272.39,21.17) 273.2,20.84 277.68,20.84 arc(278.49,21.17) 278.83,21.98 SW77.3 289.96,23.13 arc(290.77,22.79) 291.11,21.98 arc(291.44,21.17) 292.25,20.84 296.73,20.84 arc(297.54,21.17) 297.88,21.98 SW78.3 313.78,23.13 arc(314.59,22.79) 314.92,21.98 arc(315.26,21.17) 316.07,20.84 320.54,20.84 arc(321.35,21.17) 321.69,21.98 SW79.3 ; v1(11.31,40.48) 17.77,40.48 arc(18.83,40.92) 19.27,41.98 ; SW33.3 321.69,79.13 arc(321.35,78.32) 320.54,77.99 316.07,77.99 arc(315.26,78.32) 314.92,79.13 arc(314.59,79.94) 313.78,80.28 SW32.3 297.88,79.13 arc(297.54,78.32) 296.73,77.99 291.73,77.99 arc(291.16,78.1) 290.67,78.43 288.57,80.52 arc(288.08,80.85) 287.51,80.96 272.47,80.96 arc(272.09,80.89) 271.77,80.67 271.66,80.57 arc(271.34,80.35) 270.96,80.28 SW31.3 269.3,79.13 arc(268.96,78.32) 268.16,77.99 263.15,77.99 arc(262.58,78.1) 262.09,78.43 260,80.52 arc(259.51,80.85) 258.94,80.96 243.9,80.96 arc(243.51,80.89) 243.19,80.67 243.09,80.57 arc(242.76,80.35) 242.38,80.28 SW30.3 240.73,79.13 arc(240.39,78.32) 239.58,77.99 235.1,77.99 arc(234.29,78.32) 233.96,79.13 arc(233.62,79.94) 232.81,80.28 SW29.3 221.68,79.13 arc(221.34,78.32) 220.53,77.99 216.05,77.99 arc(215.24,78.32) 214.91,79.13 arc(214.57,79.94) 213.76,80.28 SW28.3 202.63,79.13 arc(202.29,78.32) 201.48,77.99 197,77.99 arc(196.19,78.32) 195.86,79.13 arc(195.52,79.94) 194.71,80.28 SW27.3 183.58,79.13 arc(183.24,78.32) 182.43,77.99 177.95,77.99 arc(177.14,78.32) 176.81,79.13 arc(176.47,79.94) 175.66,80.28 SW26.3 164.53,79.13 arc(164.19,78.32) 163.38,77.99 158.9,77.99 arc(158.09,78.32) 157.76,79.13 arc(157.42,79.94) 156.61,80.28 SW25.3 145.48,79.13 arc(145.14,78.32) 144.33,77.99 139.85,77.99 arc(139.04,78.32) 138.71,79.13 arc(138.37,79.94) 137.56,80.28 SW24.3 126.43,79.13 arc(126.09,78.32) 125.28,77.99 120.8,77.99 arc(119.99,78.32) 119.66,79.13 arc(119.32,79.94) 118.51,80.28 SW23.3 107.38,79.13 arc(107.04,78.32) 106.23,77.99 101.75,77.99 arc(100.94,78.32) 100.61,79.13 arc(100.27,79.94) 99.46,80.28 SW22.3 88.33,79.13 arc(87.99,78.32) 87.18,77.99 82.7,77.99 arc(81.89,78.32) 81.56,79.13 arc(81.22,79.94) 80.41,80.28 SW21.3 69.28,79.13 arc(68.94,78.32) 68.13,77.99 63.65,77.99 arc(62.84,78.32) 62.51,79.13 arc(62.17,79.94) 61.36,80.28 SW20.3 50.23,79.13 arc(49.89,78.32) 49.08,77.99 44.6,77.99 arc(43.79,78.32) 43.46,79.13 arc(43.12,79.94) 42.31,80.28 SW19.3 31.18,79.13 arc(30.84,78.32) 30.03,77.99 25.55,77.99 arc(24.74,78.32) 24.41,79.13 arc(24.07,79.94) 23.26,80.28 SW18.3 ; SW16.3 297.88,102.94 arc(297.54,102.13) 296.73,101.8 292.25,101.8 arc(291.44,102.13) 291.11,102.94 arc(290.77,103.75) 289.96,104.09 SW15.3 278.83,102.94 arc(278.49,102.13) 277.68,101.8 273.2,101.8 arc(272.39,102.13) 272.06,102.94 arc(271.72,103.75) 270.91,104.09 SW14.3 259.78,102.94 arc(259.44,102.13) 258.63,101.8 254.15,101.8 arc(253.34,102.13) 253.01,102.94 arc(252.67,103.75) 251.86,104.09 SW13.3 240.73,102.94 arc(240.39,102.13) 239.58,101.8 235.1,101.8 arc(234.29,102.13) 233.96,102.94 arc(233.62,103.75) 232.81,104.09 SW12.3 221.68,102.94 arc(221.34,102.13) 220.53,101.8 216.05,101.8 arc(215.24,102.13) 214.91,102.94 arc(214.57,103.75) 213.76,104.09 SW11.3 202.63,102.94 arc(202.29,102.13) 201.48,101.8 197,101.8 arc(196.19,102.13) 195.86,102.94 arc(195.52,103.75) 194.71,104.09 SW10.3 183.58,102.94 arc(183.24,102.13) 182.43,101.8 177.95,101.8 arc(177.14,102.13) 176.81,102.94 arc(176.47,103.75) 175.66,104.09 SW9.3 164.53,102.94 arc(164.19,102.13) 163.38,101.8 158.9,101.8 arc(158.09,102.13) 157.76,102.94 arc(157.42,103.75) 156.61,104.09 SW8.3 145.48,102.94 arc(145.14,102.13) 144.33,101.8 139.85,101.8 arc(139.04,102.13) 138.71,102.94 arc(138.37,103.75) 137.56,104.09 SW7.3 126.43,102.94 arc(126.09,102.13) 125.28,101.8 120.8,101.8 arc(119.99,102.13) 119.66,102.94 arc(119.32,103.75) 118.51,104.09 SW6.3 107.38,102.94 arc(107.04,102.13) 106.23,101.8 101.75,101.8 arc(100.94,102.13) 100.61,102.94 arc(100.27,103.75) 99.46,104.09 SW5.3 88.33,102.94 arc(87.99,102.13) 87.18,101.8 82.7,101.8 arc(81.89,102.13) 81.56,102.94 arc(81.22,103.75) 80.41,104.09 SW4.3 69.28,102.94 arc(68.94,102.13) 68.13,101.8 63.65,101.8 arc(62.84,102.13) 62.51,102.94 arc(62.17,103.75) 61.36,104.09 SW3.3 50.23,102.94 arc(49.89,102.13) 49.08,101.8 44.6,101.8 arc(43.79,102.13) 43.46,102.94 arc(43.12,103.75) 42.31,104.09 SW2.3 31.18,102.94 arc(30.84,102.13) 30.03,101.8 25.55,101.8 arc(24.74,102.13) 24.41,102.94 arc(24.07,103.75) 23.26,104.09 SW1.3 ; SW80.3 28.03,4.08 arc(28.84,3.74) 29.17,2.93 arc(29.51,2.12) 30.32,1.79 34.79,1.79 arc(35.6,2.12) 35.94,2.93 SW81.3 47.08,4.08 arc(47.89,3.74) 48.22,2.93 arc(48.56,2.12) 49.37,1.79 53.84,1.79 arc(54.65,2.12) 54.99,2.93 SW82.3 66.13,4.08 arc(66.94,3.74) 67.27,2.93 arc(67.61,2.12) 68.42,1.79 72.89,1.79 arc(73.7,2.12) 74.04,2.93 SW83.3 75.69,4.08 arc(76.08,4.15) 76.4,4.37 76.5,4.47 arc(76.83,4.69) 77.21,4.76 99.39,4.76 arc(99.97,4.65) 100.45,4.32 102.55,2.23 arc(103.04,1.9) 103.61,1.79 108.61,1.79 arc(109.42,2.12) 109.76,2.93 SW84.3 111.41,4.08 arc(111.8,4.15) 112.12,4.37 112.22,4.47 arc(112.55,4.69) 112.93,4.76 147.02,4.76 arc(147.59,4.65) 148.08,4.32 150.17,2.23 arc(150.66,1.9) 151.24,1.79 156.24,1.79 arc(157.05,2.12) 157.38,2.93 SW85.3 159.12,4.08 arc(159.5,4.15) 159.82,4.37 159.85,4.39 arc(160.17,4.61) 160.55,4.68 180.43,4.68 arc(181.01,4.57) 181.49,4.25 183.51,2.23 arc(184,1.9) 184.57,1.79 189.57,1.79 arc(190.38,2.12) 190.72,2.93 SW86.3 206.62,4.08 arc(207.43,3.74) 207.76,2.93 arc(208.1,2.12) 208.91,1.79 213.39,1.79 arc(214.2,2.12) 214.53,2.93 SW87.3 230.43,4.08 arc(231.24,3.74) 231.58,2.93 arc(231.91,2.12) 232.72,1.79 237.2,1.79 arc(238.01,2.12) 238.34,2.93 SW88.3 251.86,4.08 arc(252.67,3.74) 253.01,2.93 arc(253.34,2.12) 254.15,1.79 258.63,1.79 arc(259.44,2.12) 259.78,2.93 SW89.3 270.91,4.08 arc(271.72,3.74) 272.06,2.93 arc(272.39,2.12) 273.2,1.79 277.68,1.79 arc(278.49,2.12) 278.83,2.93 SW90.3 289.96,4.08 arc(290.77,3.74) 291.11,2.93 arc(291.44,2.12) 292.25,1.79 296.73,1.79 arc(297.54,2.12) 297.88,2.93 SW91.3 313.78,4.08 arc(314.59,3.74) 314.92,2.93 arc(315.26,2.12) 316.07,1.79 320.54,1.79 arc(321.35,2.12) 321.69,2.93 SW92.3 ; v1(8.93,59.53) 15.39,59.53 arc(16.45,59.97) 16.89,61.03 ; v1(4.17,102.39) 10.63,102.39 arc(11.69,102.83) 12.13,103.89 ; v1(16.07,21.43) 22.53,21.43 arc(23.59,21.87) 24.03,22.93 ; v1(4.17,78.58) 10.63,78.58 arc(11.69,79.02) 12.13,80.08 ; v1(6.55,2.38) 13.01,2.38 arc(14.07,2.82) 14.51,3.88
